# Altium PCB AirPi_Sensor.PcbDoc
Units mm, origin at the board's own origin, x right, y up, seen from the top; angles counter-clockwise.
Board outline 69.47 x 56.52 mm, 2 copper layers (Top Layer, Bottom Layer); 68 components, 91 nets, 317 pads, 62 vias.
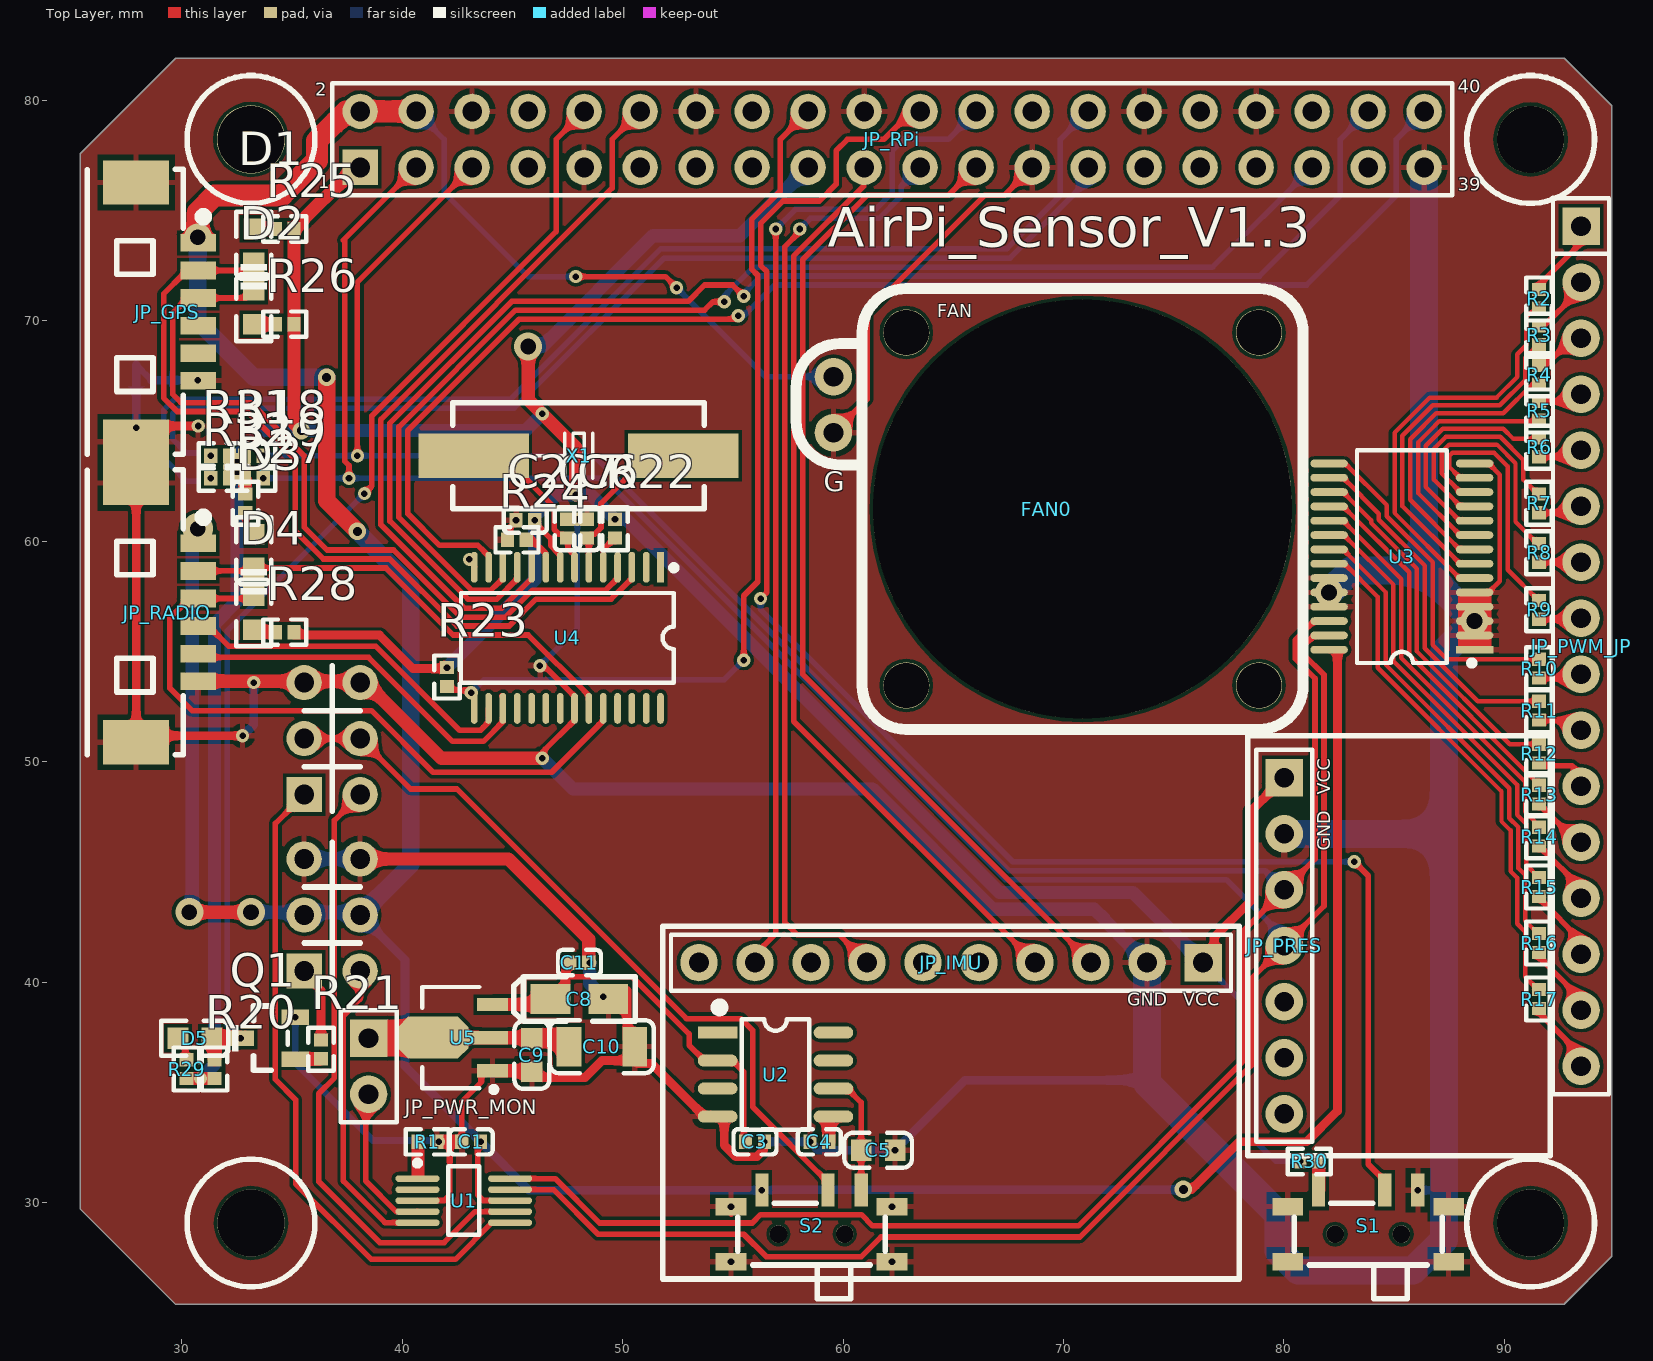
[diagram p0: Top Layer view]
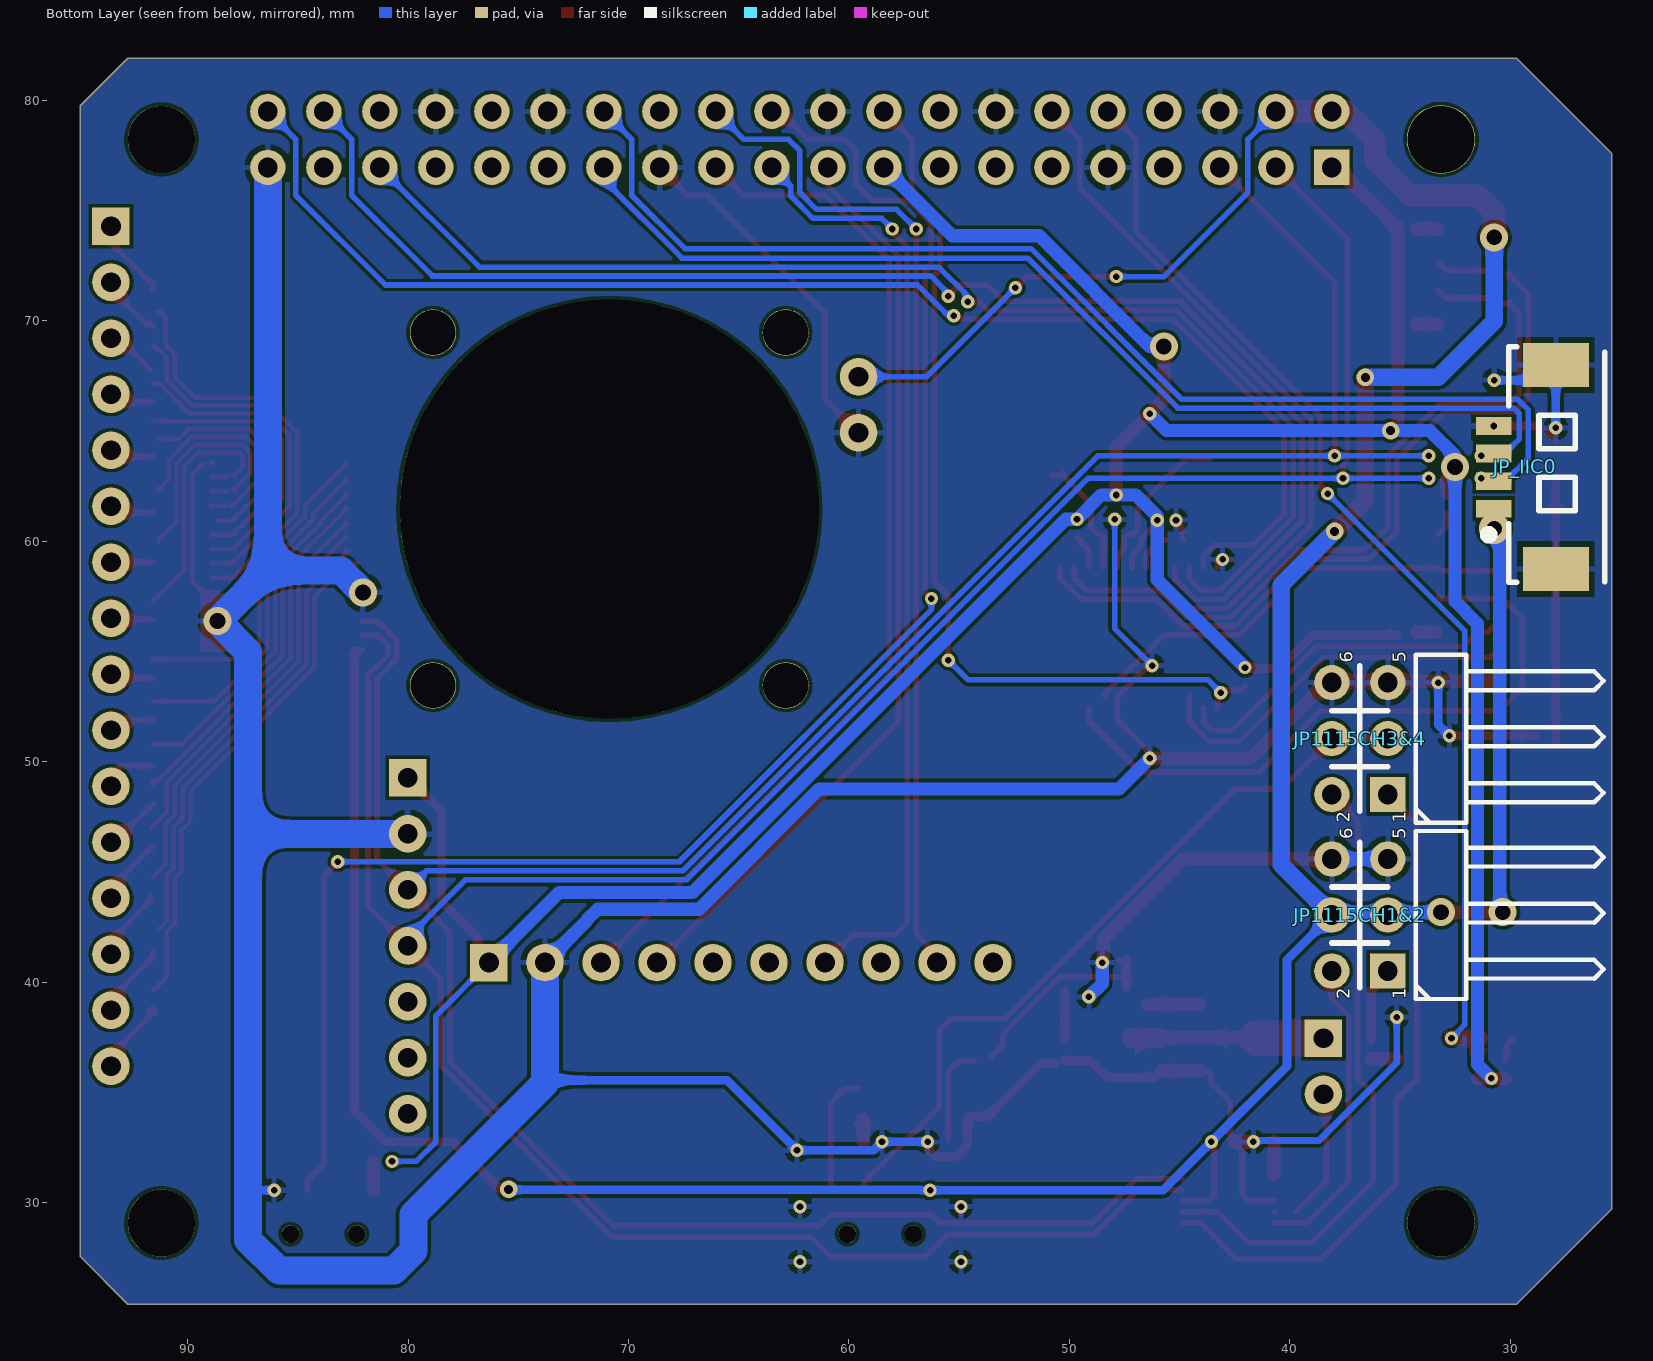
[diagram p1: Bottom Layer view, seen from below]

## Layer stack, top to bottom
Top Solder: solder mask 0.0102, Solder Resist, Dk 3.5
Top Layer: signal copper 0.0356
Dielectric 1: dielectric 0.32, FR-4, Dk 4.8
Bottom Layer: signal copper 0.0356
Bottom Solder: solder mask 0.0102, Solder Resist, Dk 3.5

## Board outline
25.4,77.597 29.718,81.915 92.71,81.915 94.869,79.756 94.869,27.559 92.71,25.4 29.718,25.4 25.4,29.718

## Design rules (kind name [scope] priority, off if disabled: settings)
Clearance [All] p1: gap=0.152 ignorepadtopadclearanceinfootprint=FALSE except(0: Arc-Hole Track-Hole SMDPad-Hole THPad-Hole Via-Hole Fill-Hole Poly-Hole Region-Hole Text-Hole)
DiffPairsRouting [All] p1: maxlimit=10 minlimit=0.152 mostfreqgap=0.254 toplayer_minwidth=0.152 toplayer_maxwidth=10 toplayer_prefwidth=0.381 bottomlayer_minwidth=0.152 bottomlayer_maxwidth=10 bottomlayer_prefwidth=0.381 maxuncoupledlength=12.7
PolygonConnect [All] p1: connectstyle=Relief reliefconductorwidth=0.254 reliefentries=4 polygonreliefangle="90 Angle" airgapwidth=0.254
RoutingTopology [All] p1: topology=Daisy_Simple
RoutingVias [All] p1: holewidth=0.711 width=1.27 viastyle="Through Hole" minholewidth=0.3 minwidth=0.6 maxholewidth=50 maxwidth=10
SolderMaskExpansion [All] p1: expansion=0.102
UnRoutedNet [All] p1: checkbadconnections=TRUE
Width [All] p1: maxlimit=10 minlimit=0.152 preferedwidth=0.254
27 further rules are at their usual default settings.

## Classes and differential pairs
net class PWM[0..15]: PWM0 PWM1 PWM2 PWM3 PWM4 PWM5 PWM6 PWM7 PWM8 PWM9 PWM10 PWM11 PWM12 PWM13 PWM14 PWM15
component class V-ref: C3 C5 U2
component class UART_EXT: C2 C6 C7 D1 D2 D3 D4 JP_GPS JP_RADIO R22 R23 R24 R25 R26 R27 R28 U4 X1
component class RC_Inventer: D5 Q1 R20 R21 R29
component class PWM: R2 R3 R4 R5 R6 R7 R8 R9 R10 R11 R12 R13 R14 R15 R16 R17 U3
component class Pressure: JP_PRES
component class PiHAT_Sensor: JP1115CH1&2 JP1115CH3&4 JP_IIC0 JP_PWM_JP JP_RPi R18 R19 R30 R31 R32 S1 S2
component class IMU: JP_IMU
component class Fan: FAN0
component class ADC: C1 R1 U1
component class 6V_SRC: C8 C9 C10 C11 U5

## Components (designator, comment, footprint, x,y, rotation, side; value= is the part's Value field where it differs from the comment)
C1 "100nF (104) 10% 16V" 0402_C 43.136,32.766 r180 top locked
C2 "100nF (104) 10% 16V" 0402_C 45.593,60.96 r180 top locked
C3 "1.0uF (105) 10% 25V" 0402_C 56.007,32.766 r180 top locked
C4 "1.0uF (105) 10% 25V" 0402_C 58.928,32.766 r180 top locked
C5 "22uF (226) 20% 6.3V" 0603_C 61.595,32.385 r180 top
C6 "18pF (180) 5% 50V" 0402_C 48.387,60.579 r270 top locked
C7 "18pF (180) 5% 50V" 0402_C 47.498,60.579 r270 top locked
C8 "10uF (106) ±10% 16V" CASE-A_3216 48.046,39.243 r180 top locked
C9 "100nF (104) 10% 50V" 0603_C 45.887,36.703 r90 top locked
C10 "10uF (106) 10% 50V" 1206_C 49.062,37.084 r0 top locked
C11 "100nF (104) 10% 16V" 0402_C 48.046,40.894 r0 top locked
D1 "蓝灯 0603" 0603_LED_S1 33.274,73.406 r90 top
D2 "绿灯 0603" 0603_LED_S1 33.274,70.612 r270 top
D3 "蓝灯 0603" 0603_LED_S1 33.274,59.563 r90 top
D4 "绿灯 0603" 0603_LED_S1 33.274,56.769 r270 top
D5 "绿灯 0603" 0603_LED_S1 30.607,37.465 r180 top locked
FAN0 "20mm_5V_风扇" 20mmFAN 62.867,53.467 r0 top locked
JP1115CH1&2 "Header3X2" HDR2.54-WI-2x3P 36.83,43.053 r90 bottom locked
JP1115CH3&4 "Header3X2" HDR2.54-WI-2x3P 36.83,51.054 r90 bottom locked
JP_GPS "HDR-1X6" "MX 1.25-WS-6P" 27.94,70.398 r270 top locked
JP_IIC0 "HDR-1X4" "MX 1.25-WS-4P" 27.94,63.373 r90 bottom locked
JP_IMU "HDR-1X10" HDR2.54-LI-10P 64.897,40.894 r180 top locked
JP_PRES "HDR-1X7" HDR2.54-LI-7P 80.01,41.656 r270 top locked
JP_PWM_JP "HDR-1X16" HDR2.54-LI-16P 93.472,55.245 r270 top locked
JP_PWR_MON "HDR-1X2" HDR2.54-LI-2P 38.481,36.195 r270 top locked
JP_RADIO "HDR-1X6" "MX 1.25-WS-6P" 27.94,56.769 r270 top locked
JP_RPi "Header 2X11" HDR2.54-LI-2x20P 62.23,78.232 r0 top locked
Q1 "SS8050 Y1" SOT-23(SOT-23-3) 33.909,37.465 r0 top locked
R1 "10KΩ (1002) ±1%" 0402_R 41.148,32.766 r0 top locked
R2 "220Ω (2200) ±1%" 0402_R 91.567,70.993 r270 top locked
R3 "220Ω (2200) ±1%" 0402_R 91.567,69.342 r270 top locked
R4 "220Ω (2200) ±1%" 0402_R 91.567,67.564 r270 top locked
R5 "220Ω (2200) ±1%" 0402_R 91.567,65.913 r270 top locked
R6 "220Ω (2200) ±1%" 0402_R 91.567,64.262 r90 top locked
R7 "220Ω (2200) ±1%" 0402_R 91.567,61.722 r90 top locked
R8 "220Ω (2200) ±1%" 0402_R 91.567,59.48 r90 top locked
R9 "220Ω (2200) ±1%" 0402_R 91.567,56.896 r90 top locked
R10 "220Ω (2200) ±1%" 0402_R 91.567,54.229 r90 top locked
R11 "220Ω (2200) ±1%" 0402_R 91.567,52.324 r90 top locked
R12 "220Ω (2200) ±1%" 0402_R 91.567,50.375 r90 top locked
R13 "220Ω (2200) ±1%" 0402_R 91.567,48.514 r90 top locked
R14 "220Ω (2200) ±1%" 0402_R 91.567,46.609 r90 top locked
R15 "220Ω (2200) ±1%" 0402_R 91.567,44.323 r90 top locked
R16 "220Ω (2200) ±1%" 0402_R 91.567,41.783 r90 top locked
R17 "220Ω (2200) ±1%" 0402_R 91.567,39.243 r90 top locked
R18 "10KΩ (1002) ±1%" 0402_R 33.274,63.881 r0 top
R19 "10KΩ (1002) ±1%" 0402_R 33.274,62.865 r0 top
R20 "10KΩ (1002) ±1%" 0402_R 31.496,36.068 r270 top locked
R21 "1KΩ (1001) ±1%" 0402_R 36.322,36.957 r270 top locked
R22 "10KΩ (1002) ±1%" 0402_R 49.657,60.579 r270 top locked
R23 "1KΩ (1001) ±1%" 0402_R 42.037,53.848 r270 top
R24 "1KΩ (1001) ±1%" 0402_R 45.212,60.071 r0 top locked
R25 "470Ω (4700) ±1%" 0402_R 34.671,74.168 r180 top
R26 "1KΩ (1001) ±1%" 0402_R 34.671,69.85 r180 top
R27 "470Ω (4700) ±1%" 0402_R 32.893,61.722 r270 top
R28 "1KΩ (1001) ±1%" 0402_R 34.671,55.88 r180 top locked
R29 "1KΩ (1001) ±1%" 0402_R 30.226,36.068 r90 top locked
R30 "10KΩ (1002) ±1%" 0402_R 81.153,31.877 r180 top locked
R31 "3.3KΩ (3301) ±1%" 0402_R 31.75,63.881 r0 top
R32 "3.3KΩ (3301) ±1%" 0402_R 31.75,62.865 r180 top
S1 "SS-12F23" MSK-12C01-07 83.82,28.575 r0 top locked
S2 "SS-12F23" MSK-12C01-07 58.571,28.575 r0 top locked
U1 "ADS1115IDGSR" TI-DGS10_M 42.799,30.099 r0 top locked
U2 "REF5040" SOP8_N 56.938,35.814 r0 top locked
U3 "PCA9685" TSSOP28_M 85.344,59.309 r180 top locked
U4 "SC16IS752IPW" TSSOP28_n 47.498,55.626 r270 top locked
U5 "HT7560_1-SOT89" SOT89_N 42.209,37.489 r180 top locked
X1 "14.7456MHz" "OSC HC-49SMD" 48.006,63.881 r180 top locked

## Footprints (in the part's own frame and the unit in brackets; to place one, negate y for a bottom-side part, rotate by r counter-clockwise, add the part's x,y. Pads: shape width x height; smd on the part's side, far side on the other; paste and mask are expansions set on the pad)
20mmFAN [mm] "20mm_5V_风扇"
  round 1.7 hole 0.9: 6(-3.3,11.46) 7(-3.3,14)
  round 2.1 hole 2.05: 8(0,0) 9(0,16) 10(16,16) 11(16,0)
  round 19 hole 19: 12(8,8)
  silkscreen extent -5,-2 18,18
0402_C [mm]
  rect 0.6x0.65 smd mask+0.051: 1(-0.425,0) 2(0.425,0)
  silkscreen extent -0.97,-0.58 0.97,0.58, body extent -0.48,-0.3 0.52,0.3, height 0.2
0402_R [mm]
  rect 0.6x0.65 smd mask+0.051: 1(-0.425,0) 2(0.425,0)
  silkscreen extent -0.97,-0.58 0.97,0.58, body extent -0.57,-0.27 0.58,0.28, height 0.41
0603_C [mm]
  rect 0.93x0.98 smd: 1(-0.77,0) 2(0.77,0)
  silkscreen extent -1.53,-0.79 1.54,0.79, body extent -0.8,-0.4 0.8,0.4, height 0.3
0603_LED_S1 [mm]
  rect 0.93x0.98 smd: A(0.77,0) K(-0.77,0)
  silkscreen extent -1.98,-0.79 1.54,0.79, body extent -0.8,-0.4 0.8,0.4, height 0.6
1206_C [mm]
  rect 1.13x1.8 smd: 1(-1.49,0) 2(1.49,0)
  silkscreen extent -2.36,-1.2 2.35,1.2, body extent -1.6,-0.81 1.6,0.79, height 1
CASE-A_3216 [mm]
  rect 1.8x1.35 smd: 1(1.31,0) 2(-1.31,0)
  silkscreen extent -2.54,-1 2.97,1, body extent -1.7,-0.84 1.7,0.84, height 1.71
HDR2.54-LI-2P [mm] "排针，2脚"
  rect 1.7x1.7 hole 0.9: 1(-1.27,0)
  round 1.7 hole 0.9: 2(1.27,0)
  silkscreen extent -2.54,-1.27 2.54,1.27, body extent -2.54,-1.27 2.54,1.27, height 8.5
HDR2.54-LI-2x20P [mm] "双排排针，20x2脚"
  rect 1.6x1.6 hole 0.9: 1(-24.13,-1.27)
  round 1.6 hole 0.9: 2(-24.13,1.27) 3(-21.59,-1.27) 4(-21.59,1.27) 5(-19.05,-1.27) 6(-19.05,1.27) 7(-16.51,-1.27) 8(-16.51,1.27) 9(-13.97,-1.27) 10(-13.97,1.27) 11(-11.43,-1.27) 12(-11.43,1.27) 13(-8.89,-1.27) 14(-8.89,1.27) 15(-6.35,-1.27) 16(-6.35,1.27) 17(-3.81,-1.27) 18(-3.81,1.27) 19(-1.27,-1.27) 20(-1.27,1.27) 21(1.27,-1.27) 22(1.27,1.27) 23(3.81,-1.27) 24(3.81,1.27) 25(6.35,-1.27) 26(6.35,1.27) 27(8.89,-1.27) 28(8.89,1.27) 29(11.43,-1.27) 30(11.43,1.27) 31(13.97,-1.27) 32(13.97,1.27) 33(16.51,-1.27) 34(16.51,1.27) 35(19.05,-1.27) 36(19.05,1.27) 37(21.59,-1.27) 38(21.59,1.27) 39(24.13,-1.27) 40(24.13,1.27)
  silkscreen extent -25.4,-2.54 25.4,2.54, body extent -25.4,-2.54 25.4,2.54, height 8.5
HDR2.54-LI-7P [mm] "排针，8脚"
  rect 1.7x1.7 hole 0.9: 1(-7.62,0)
  round 1.7 hole 0.9: 2(-5.08,0) 3(-2.54,0) 4(0,0) 5(2.54,0) 6(5.08,0) 7(7.62,0)
  silkscreen extent -8.89,-1.27 8.89,1.27, body extent -8.89,-1.27 8.89,1.27, height 8.5
HDR2.54-LI-10P [mm] "排针，10脚"
  rect 1.7x1.7 hole 0.9: 1(-11.43,0)
  round 1.7 hole 0.9: 2(-8.89,0) 3(-6.35,0) 4(-3.81,0) 5(-1.27,0) 6(1.27,0) 7(3.81,0) 8(6.35,0) 9(8.89,0) 10(11.43,0)
  silkscreen extent -12.7,-1.27 12.7,1.27, body extent -12.7,-1.27 12.7,1.27, height 8.5
HDR2.54-LI-16P [mm] "排针，16脚"
  rect 1.7x1.7 hole 0.9: 1(-19.05,0)
  round 1.7 hole 0.9: 2(-16.51,0) 3(-13.97,0) 4(-11.43,0) 5(-8.89,0) 6(-6.35,0) 7(-3.81,0) 8(-1.27,0) 9(1.27,0) 10(3.81,0) 11(6.35,0) 12(8.89,0) 13(11.43,0) 14(13.97,0) 15(16.51,0) 16(19.05,0)
  silkscreen extent -20.32,-1.27 20.32,1.27, body extent -20.32,-1.27 20.32,1.27, height 8.5
HDR2.54-WI-2x3P [mm] "双排弯脚排针，3x2脚"
  rect 1.6x1.6 hole 0.9: 1(-2.54,-1.27)
  round 1.6 hole 0.9: 2(-2.54,1.27) 3(0,-1.27) 4(0,1.27) 5(2.54,-1.27) 6(2.54,1.27)
  silkscreen extent -3.81,-11.06 3.81,1.27, body extent -3.81,-11.23 3.81,1.62, height 5.1
MSK-12C01-07 [mm] "6.7*2.8*1.5mm(长宽高）"
  rect 0.6x1.5 smd: 1(-2.25,1.996) 2(0.75,1.996) 3(2.25,1.996)
  round 0.8 hole 0.8: " "(-1.5,0) " "(1.5,0)
  rect 1.4x0.8 smd: ""(-3.65,-1.25) ""(-3.65,1.25) ""(3.65,1.25) ""(3.65,-1.25)
  silkscreen extent -3.35,-2.92 3.35,1.4, body extent -3.92,-2.9 3.92,2.4, height 1.5
"MX 1.25-WS-4P" [mm] "长：10.15mm，宽：4.2mm，高：3.4mm"
  rect 0.8x1.6 smd: 1(-1.889,2.811) 2(-0.639,2.811) 3(0.611,2.811) 4(1.861,2.811)
  rect 2x3 smd: ""(-4.632,0) ""(4.632,0)
  silkscreen extent -5.23,-2.23 5.45,3.25, body extent -5.07,-2.1 5.07,3.09, height 3.4
"MX 1.25-WS-6P" [mm] "长：12.65mm，宽：4.2mm，高：3.4mm"
  rect 0.8x1.6 smd: 1(-3.139,2.811) 2(-1.889,2.811) 3(-0.639,2.811) 4(0.611,2.811) 5(1.861,2.811) 6(3.111,2.811)
  rect 2x3 smd: ""(-5.882,0) ""(5.882,0)
  silkscreen extent -6.48,-2.23 6.45,3.25, body extent -6.32,-2.1 6.32,3.09, height 3.4
"OSC HC-49SMD" [mm]
  rect 5x2 smd: 1(-4.75,0) 2(4.75,0)
  silkscreen extent -5.7,-2.4 5.7,2.4, body extent -6.5,-2.32 6.5,2.33, height 4.63
SOP8_N [mm] "5*6*1.8mm（长宽高）"
  rect 1.8x0.55 smd: 1(-2.625,1.905)
  oval 1.8x0.55 smd: 2(-2.625,0.635) 3(-2.625,-0.635) 4(-2.625,-1.905) 5(2.625,-1.905) 6(2.625,-0.635) 7(2.625,0.635) 8(2.625,1.905)
  silkscreen extent -2.69,-2.5 1.52,3.2, body extent -3,-2.5 3,2.5, height 1.9
SOT89_N [mm] "SOT89, 3-Leads, Body 4.5x2.4 mm, Pitch 1.5mm, Lead Span 4.1mm, IPC Medium Density"
  rect 1.4x0.6 smd: 1(-1.9,1.5) 3(-1.9,-1.5)
  rect 1.8x0.6 smd: 2(-1.7,0)
  oct 3.2x1.9 smd: 2(0.8,0)
  silkscreen extent -2.07,-2.3 1.3,2.47, body extent -1.3,-2.3 1.29,2.3, height 1.61
SOT-23(SOT-23-3) [mm]
  rect 1.25x0.7 smd: 1(1.25,-0.95) 2(1.25,0.95) 3(-1.25,0)
  silkscreen extent -0.65,-1.46 0.9,1.46, body extent -1.5,-1.5 1.5,1.5, height 1.3
TI-DGS10_M [mm] "SOP, 10-Leads, Body 3x3mm, Pitch 0.5mm, IPC Low Density"
  oval 2x0.3 smd: 1(-2.1,1) 2(-2.1,0.5) 3(-2.1,0) 4(-2.1,-0.5) 5(-2.1,-1) 6(2.1,-1) 7(2.1,-0.5) 8(2.1,0) 9(2.1,0.5) 10(2.1,1)
  silkscreen extent -2.22,-1.55 0.7,1.82, body extent -1.55,-1.55 1.55,1.55, height 1.1
TSSOP28_M [mm] "9.8*6.4*1mm（长宽高）"
  rect 1.7x0.35 smd: 1(-3.3,4.225)
  oval 1.7x0.35 smd: 2(-3.3,3.575) 3(-3.3,2.925) 4(-3.3,2.275) 5(-3.3,1.625) 6(-3.3,0.975) 7(-3.3,0.325) 8(-3.3,-0.325) 9(-3.3,-0.975) 10(-3.3,-1.625) 11(-3.3,-2.275) 12(-3.3,-2.925) 13(-3.3,-3.575) 14(-3.3,-4.225) 15(3.3,-4.225) 16(3.3,-3.575) 17(3.3,-2.925) 18(3.3,-2.275) 19(3.3,-1.625) 20(3.3,-0.975) 21(3.3,-0.325) 22(3.3,0.325) 23(3.3,0.975) 24(3.3,1.625) 25(3.3,2.275) 26(3.3,2.925) 27(3.3,3.575) 28(3.3,4.225)
  silkscreen extent -3.3,-4.83 2.03,4.96, body extent -3.2,-4.9 3.2,4.9, height 1.03
TSSOP28_n [mm] "9.8*6.4*1mm（长宽高）"
  rect 1.4x0.3 smd: 1(-3.2,4.225)
  oval 1.4x0.3 smd: 2(-3.2,3.575) 3(-3.2,2.925) 4(-3.2,2.275) 5(-3.2,1.625) 6(-3.2,0.975) 7(-3.2,0.325) 8(-3.2,-0.325) 9(-3.2,-0.975) 10(-3.2,-1.625) 11(-3.2,-2.275) 12(-3.2,-2.925) 13(-3.2,-3.575) 14(-3.2,-4.225) 15(3.2,-4.225) 16(3.2,-3.575) 17(3.2,-2.925) 18(3.2,-2.275) 19(3.2,-1.625) 20(3.2,-0.975) 21(3.2,-0.325) 22(3.2,0.325) 23(3.2,0.975) 24(3.2,1.625) 25(3.2,2.275) 26(3.2,2.925) 27(3.2,3.575) 28(3.2,4.225)
  silkscreen extent -3.3,-4.83 2.03,4.96, body extent -3.2,-4.9 3.2,4.9, height 1.03

## Part data
C1 C2 C11: library part "0402 100nF (104) 10% 16V", "贴片电容", Package=0402, SuppliersPartNumber=C1525, ComponentLink1Description=供应商, ComponentLink1URL=http://www.szlcsc.com/product/details_1877.html, Supplier=LC
C3 C4: library part "0402 1.0uF (105) 10% 25V", "贴片电容", Package=0402, SuppliersPartNumber=C52923, ComponentLink1Description=供应商, ComponentLink1URL=http://www.szlcsc.com/product/details_53938.html, Supplier=LC
C5: library part "0603 22uF (226) 20% 6.3V", "贴片电容", Package=0603, SuppliersPartNumber=C59461, ComponentLink1Description=供应商, ComponentLink1URL=http://www.szlcsc.com/product/details_60514.html, Supplier=LC
C6 C7: library part "0402 18pF (180) 5% 50V", "贴片电容", Package=0402, SuppliersPartNumber=C1549, ComponentLink1Description=供应商, ComponentLink1URL=http://www.szlcsc.com/product/details_1901.html, Supplier=LC
C8: library part "3216 10uF (106) 10% 16V", "钽电容", Package=3216, SuppliersPartNumber=C7171, ComponentLink1Description=供应商, ComponentLink1URL=http://www.szlcsc.com/product/details_7643.html, Supplier=LC
C9: library part "0603 100nF (104) 10% 50V", "贴片电容", Package=0603, SuppliersPartNumber=C14663, ComponentLink1Description=供应商, ComponentLink1URL=http://www.szlcsc.com/product/details_15331.html, Supplier=LC
C10: library part "1206 10uF (106) 10% 50V", "贴片电容", Package=1206, SuppliersPartNumber=C13585, ComponentLink1Description=供应商, ComponentLink1URL=http://www.szlcsc.com/product/details_14236.html, Supplier=LC
D1 D3: library part "0603 蓝灯", "发光二极管", Package=0603, SuppliersPartNumber=C72041, ComponentLink1Description=供应商, ComponentLink1URL=http://www.szlcsc.com/product/details_73150.html, Supplier=LC
D2 D4 D5: library part "0603 绿灯", "发光二极管", Package=0603, SuppliersPartNumber=C72043, ComponentLink1Description=供应商, ComponentLink1URL=http://www.szlcsc.com/product/details_73152.html, Supplier=LC
FAN0: library part 20mmFAN
JP1115CH1&2 JP1115CH3&4: library part "Header 3X2", "3*2P接插件"